# Altium PCB POT 10x8.PcbDoc (part 3 of 4) (continued)
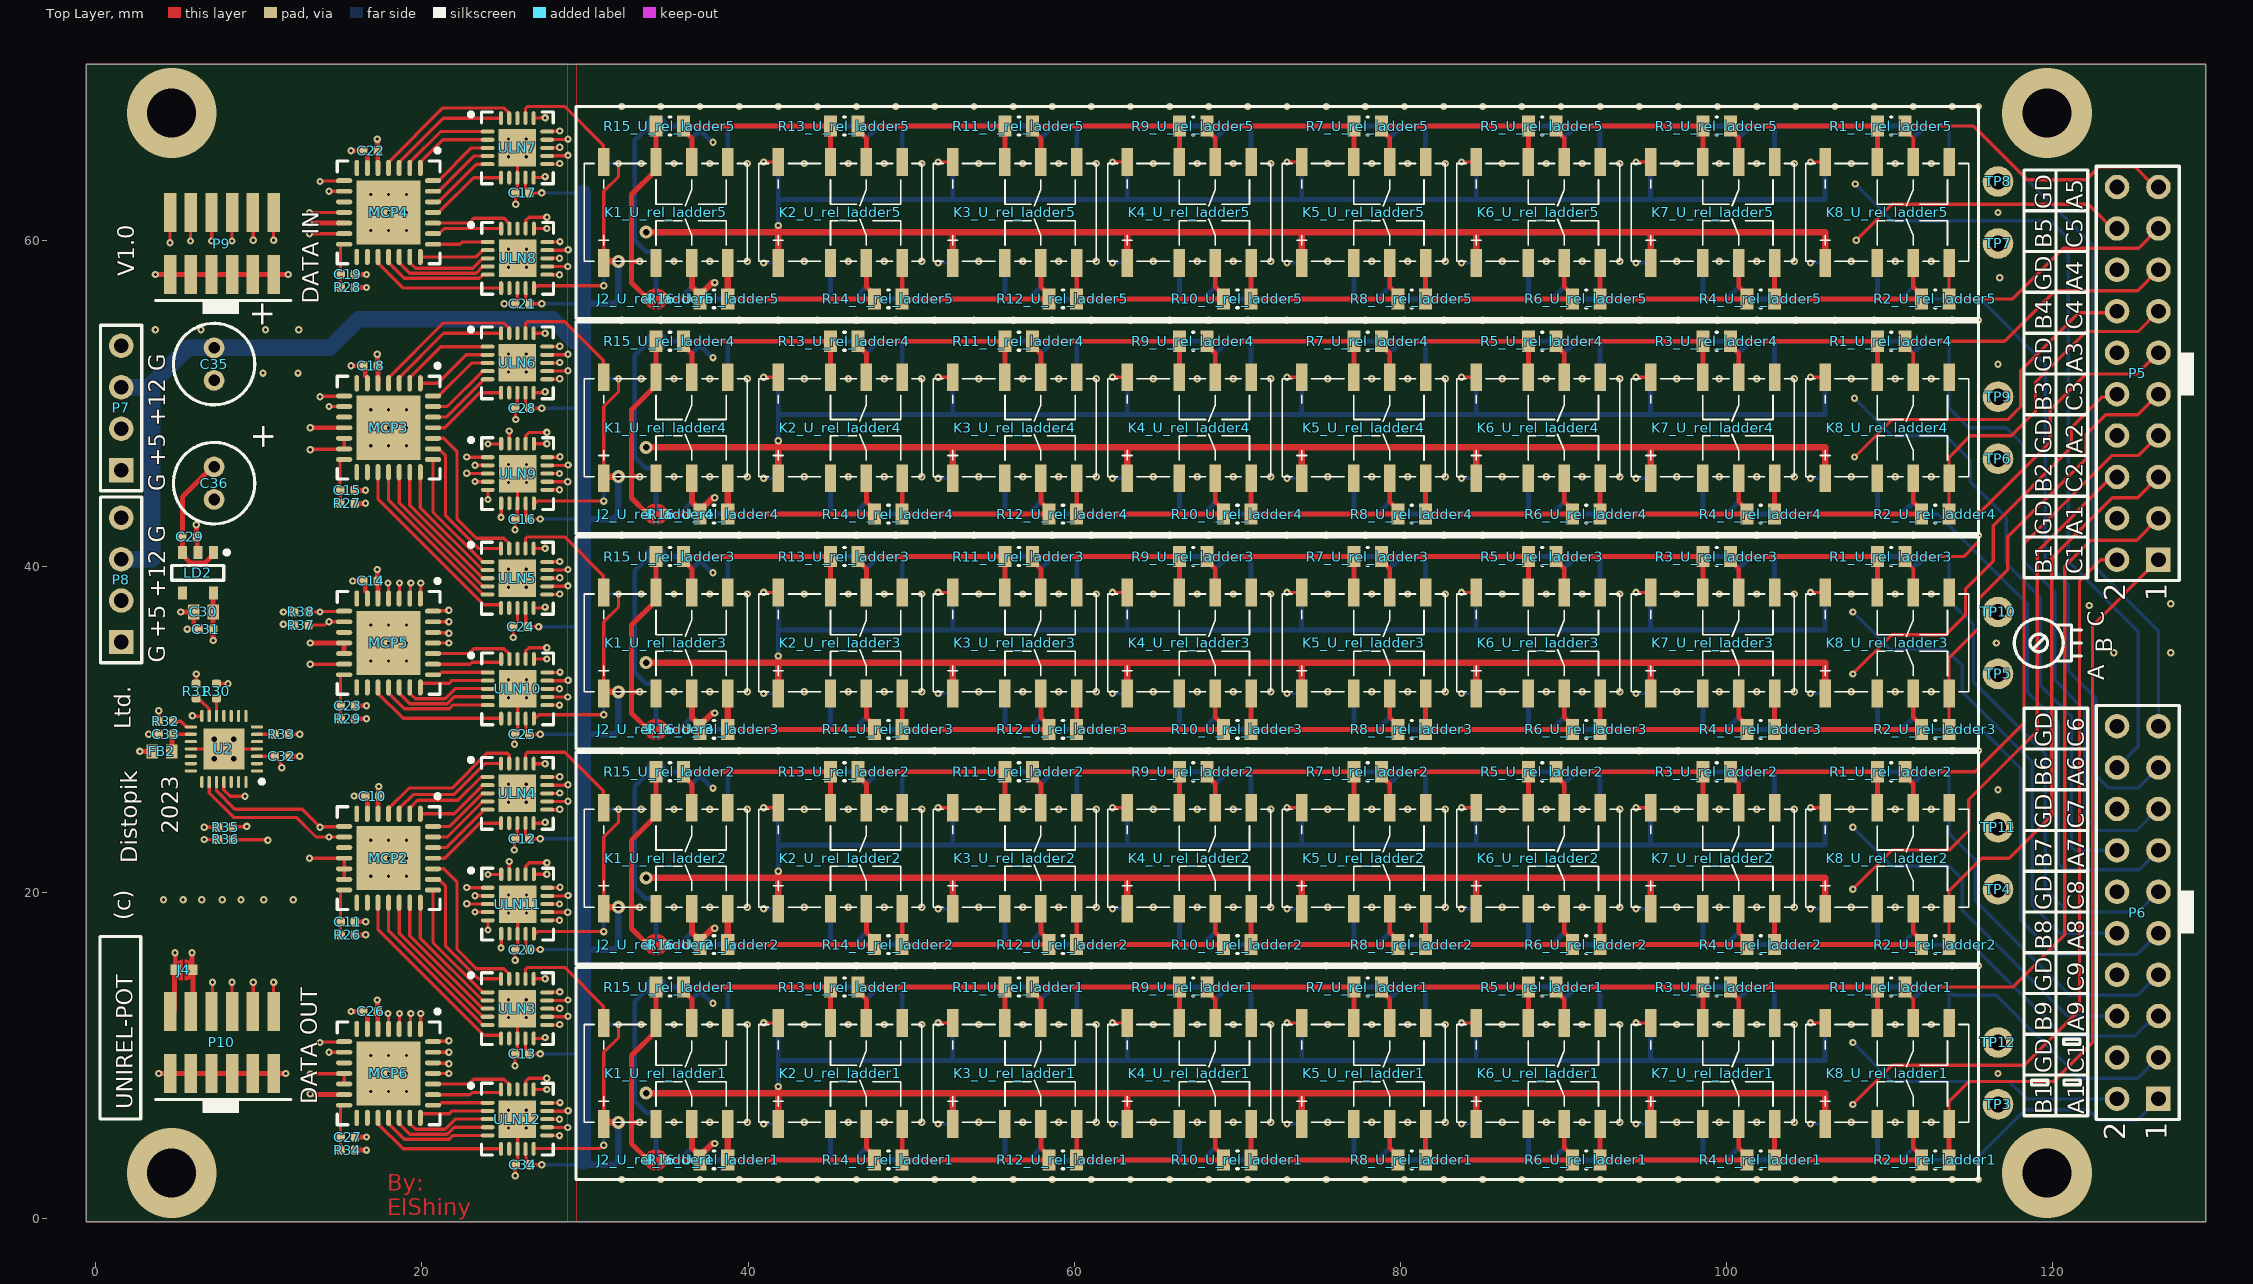
[diagram p0: Top Layer view]
## Nets (pads, with @x,y where several pads share a name; then routed paths per layer and width w, separated by ;. In a path a pad name is that pad's centre, name@x,y a point inside that pad or via, vN(x,y) a via of type N, cw(c..) or ccw(c..) an arc to the next point about the centre after c; other vN are vias at no path point) (continued)
NetK3_U_rel_ladder5_6: K3_U_rel_ladder5.6 K4_U_rel_ladder5.7 R9_U_rel_ladder5.2 R11_U_rel_ladder5.1 | length 13.6
  Top Layer w0.3: K3_U_rel_ladder5.6@57.95,64.8 57.95,66.25 57.45,66.75 R11_U_rel_ladder5.1@57.45,67 R9_U_rel_ladder5.2@66.45,67 K4_U_rel_ladder5.7@66.45,64.8
NetK3_U_rel_ladder5_8: K3_U_rel_ladder5.8 ULN7.15 | length 27
  Top Layer w0.2: ULN7.15@27.675,66.675 28.425,66.675 v1(28.45,66.7) ; v1(51.65,64.8) K3_U_rel_ladder5.8@52.55,64.8
  Mid Layer 1 w0.2: v1(28.45,66.7) 29.103,66.7 30.781,65.022 30.781,64.542 31.825,63.498 40.075,63.498 40.077,63.5 50.35,63.5 v1(51.65,64.8)
NetK3_U_rel_ladder6_4: K3_U_rel_ladder6.4 K4_U_rel_ladder6.3 R10_U_rel_ladder6.2 R12_U_rel_ladder6.1 | length 13.6
  Bottom Layer w0.3: K3_U_rel_ladder6.4@60.15,64.8 R12_U_rel_ladder6.1@60.15,67 R10_U_rel_ladder6.2@69.15,67 69.15,66.75 68.65,66.25 K4_U_rel_ladder6.3@68.65,64.8
NetK3_U_rel_ladder6_6: K3_U_rel_ladder6.6 K4_U_rel_ladder6.7 R9_U_rel_ladder6.2 R11_U_rel_ladder6.1 | length 13.6
  Bottom Layer w0.3: K3_U_rel_ladder6.6@57.95,58.6 57.95,57.15 57.45,56.65 R11_U_rel_ladder6.1@57.45,56.4 R9_U_rel_ladder6.2@66.45,56.4 K4_U_rel_ladder6.7@66.45,58.6
NetK3_U_rel_ladder6_8: K3_U_rel_ladder6.8 ULN8.12 | length 30.5
  Top Layer w0.2: ULN8.12@27.684,58.388 v1(28.934,58.388)
  Mid Layer 2 w0.2: v1(28.934,58.388) 29,58.388 30.048,59.437 30.048,61.225 31.125,62.302 50.348,62.302 51.65,61 v1(51.65,58.6)
  Bottom Layer w0.2: v1(51.65,58.6) K3_U_rel_ladder6.8@52.55,58.6
NetK3_U_rel_ladder7_4: K3_U_rel_ladder7.4 K4_U_rel_ladder7.3 R10_U_rel_ladder7.2 R12_U_rel_ladder7.1 | length 13.6
  Bottom Layer w0.3: K3_U_rel_ladder7.4@60.15,51.6 R12_U_rel_ladder7.1@60.15,53.8 R10_U_rel_ladder7.2@69.15,53.8 69.15,53.55 68.65,53.05 K4_U_rel_ladder7.3@68.65,51.6
NetK3_U_rel_ladder7_6: K3_U_rel_ladder7.6 K4_U_rel_ladder7.7 R9_U_rel_ladder7.2 R11_U_rel_ladder7.1 | length 13.6
  Bottom Layer w0.3: K3_U_rel_ladder7.6@57.95,45.4 57.95,43.95 57.45,43.45 R11_U_rel_ladder7.1@57.45,43.2 R9_U_rel_ladder7.2@66.45,43.2 K4_U_rel_ladder7.7@66.45,45.4
NetK3_U_rel_ladder7_8: K3_U_rel_ladder7.8 ULN9.12 | length 30.5
  Top Layer w0.2: ULN9.12@27.684,45.188 v1(28.934,45.188)
  Mid Layer 2 w0.2: v1(28.934,45.188) 29,45.188 30.048,46.237 30.048,48.025 31.125,49.102 50.348,49.102 51.65,47.8 v1(51.65,45.4)
  Bottom Layer w0.2: v1(51.65,45.4) K3_U_rel_ladder7.8@52.55,45.4
NetK3_U_rel_ladder8_4: K3_U_rel_ladder8.4 K4_U_rel_ladder8.3 R10_U_rel_ladder8.2 R12_U_rel_ladder8.1 | length 13.6
  Bottom Layer w0.3: K3_U_rel_ladder8.4@60.15,38.4 R12_U_rel_ladder8.1@60.15,40.6 R10_U_rel_ladder8.2@69.15,40.6 69.15,40.35 68.65,39.85 K4_U_rel_ladder8.3@68.65,38.4
NetK3_U_rel_ladder8_6: K3_U_rel_ladder8.6 K4_U_rel_ladder8.7 R9_U_rel_ladder8.2 R11_U_rel_ladder8.1 | length 13.6
  Bottom Layer w0.3: K3_U_rel_ladder8.6@57.95,32.2 57.95,30.75 57.45,30.25 R11_U_rel_ladder8.1@57.45,30 R9_U_rel_ladder8.2@66.45,30 K4_U_rel_ladder8.7@66.45,32.2
NetK3_U_rel_ladder8_8: K3_U_rel_ladder8.8 ULN10.12 | length 30.5
  Top Layer w0.2: ULN10.12@27.684,31.988 v1(28.934,31.988)
  Mid Layer 2 w0.2: v1(28.934,31.988) 29,31.988 30.048,33.037 30.048,34.825 31.125,35.902 50.348,35.902 51.65,34.6 v1(51.65,32.2)
  Bottom Layer w0.2: v1(51.65,32.2) K3_U_rel_ladder8.8@52.55,32.2
NetK3_U_rel_ladder9_4: K3_U_rel_ladder9.4 K4_U_rel_ladder9.3 R10_U_rel_ladder9.2 R12_U_rel_ladder9.1 | length 13.6
  Bottom Layer w0.3: K3_U_rel_ladder9.4@60.15,25.2 R12_U_rel_ladder9.1@60.15,27.4 R10_U_rel_ladder9.2@69.15,27.4 69.15,27.15 68.65,26.65 K4_U_rel_ladder9.3@68.65,25.2
NetK3_U_rel_ladder9_6: K3_U_rel_ladder9.6 K4_U_rel_ladder9.7 R9_U_rel_ladder9.2 R11_U_rel_ladder9.1 | length 13.6
  Bottom Layer w0.3: K3_U_rel_ladder9.6@57.95,19 57.95,17.55 57.45,17.05 R11_U_rel_ladder9.1@57.45,16.8 R9_U_rel_ladder9.2@66.45,16.8 K4_U_rel_ladder9.7@66.45,19
NetK3_U_rel_ladder9_8: K3_U_rel_ladder9.8 ULN11.12 | length 30.5
  Top Layer w0.2: ULN11.12@27.684,18.788 v1(28.934,18.788)
  Mid Layer 2 w0.2: v1(28.934,18.788) 29,18.788 30.048,19.837 30.048,21.625 31.125,22.702 50.348,22.702 51.65,21.4 v1(51.65,19)
  Bottom Layer w0.2: v1(51.65,19) K3_U_rel_ladder9.8@52.55,19
NetK3_U_rel_ladder10_4: K3_U_rel_ladder10.4 K4_U_rel_ladder10.3 R10_U_rel_ladder10.2 R12_U_rel_ladder10.1 | length 13.6
  Bottom Layer w0.3: K3_U_rel_ladder10.4@60.15,12 R12_U_rel_ladder10.1@60.15,14.2 R10_U_rel_ladder10.2@69.15,14.2 69.15,13.95 68.65,13.45 K4_U_rel_ladder10.3@68.65,12
NetK3_U_rel_ladder10_6: K3_U_rel_ladder10.6 K4_U_rel_ladder10.7 R9_U_rel_ladder10.2 R11_U_rel_ladder10.1 | length 13.6
  Bottom Layer w0.3: K3_U_rel_ladder10.6@57.95,5.8 57.95,4.35 57.45,3.85 R11_U_rel_ladder10.1@57.45,3.6 R9_U_rel_ladder10.2@66.45,3.6 K4_U_rel_ladder10.7@66.45,5.8
NetK3_U_rel_ladder10_8: K3_U_rel_ladder10.8 ULN12.12 | length 30.5
  Top Layer w0.2: ULN12.12@27.684,5.588 v1(28.934,5.588)
  Mid Layer 2 w0.2: v1(28.934,5.588) 29,5.588 30.048,6.637 30.048,8.425 31.125,9.502 50.348,9.502 51.65,8.2 v1(51.65,5.8)
  Bottom Layer w0.2: v1(51.65,5.8) K3_U_rel_ladder10.8@52.55,5.8
NetK4_U_rel_ladder1_4: K4_U_rel_ladder1.4 K5_U_rel_ladder1.3 R8_U_rel_ladder1.2 R10_U_rel_ladder1.1 | length 13.6
  Top Layer w0.3: K4_U_rel_ladder1.4@70.85,5.8 R10_U_rel_ladder1.1@70.85,3.6 R8_U_rel_ladder1.2@79.85,3.6 79.85,3.85 79.35,4.35 K5_U_rel_ladder1.3@79.35,5.8
NetK4_U_rel_ladder1_6: K4_U_rel_ladder1.6 K5_U_rel_ladder1.7 R7_U_rel_ladder1.2 R9_U_rel_ladder1.1 | length 13.6
  Top Layer w0.3: K4_U_rel_ladder1.6@68.65,12 68.65,13.45 68.15,13.95 R9_U_rel_ladder1.1@68.15,14.2 R7_U_rel_ladder1.2@77.15,14.2 K5_U_rel_ladder1.7@77.15,12
NetK4_U_rel_ladder1_8: K4_U_rel_ladder1.8 ULN3.14 | length 37.8
  Top Layer w0.2: ULN3.14@27.675,13.375 28.925,13.375 v1(28.95,13.4) ; v1(62.35,12) K4_U_rel_ladder1.8@63.25,12
  Mid Layer 1 w0.2: v1(28.95,13.4) 28.998,13.352 29.224,13.352 30.479,12.097 30.479,11.617 31.7,10.397 50.473,10.397 50.477,10.4 60.75,10.4 v1(62.35,12)
NetK4_U_rel_ladder2_4: K4_U_rel_ladder2.4 K5_U_rel_ladder2.3 R8_U_rel_ladder2.2 R10_U_rel_ladder2.1 | length 13.6
  Top Layer w0.3: K4_U_rel_ladder2.4@70.85,19 R10_U_rel_ladder2.1@70.85,16.8 R8_U_rel_ladder2.2@79.85,16.8 79.85,17.05 79.35,17.55 K5_U_rel_ladder2.3@79.35,19
NetK4_U_rel_ladder2_6: K4_U_rel_ladder2.6 K5_U_rel_ladder2.7 R7_U_rel_ladder2.2 R9_U_rel_ladder2.1 | length 13.6
  Top Layer w0.3: K4_U_rel_ladder2.6@68.65,25.2 68.65,26.65 68.15,27.15 R9_U_rel_ladder2.1@68.15,27.4 R7_U_rel_ladder2.2@77.15,27.4 K5_U_rel_ladder2.7@77.15,25.2
NetK4_U_rel_ladder2_8: K4_U_rel_ladder2.8 ULN4.14 | length 37.8
  Top Layer w0.2: ULN4.14@27.675,26.575 28.925,26.575 v1(28.95,26.6) ; v1(62.35,25.2) K4_U_rel_ladder2.8@63.25,25.2
  Mid Layer 1 w0.2: v1(28.95,26.6) 28.998,26.552 29.224,26.552 30.479,25.297 30.479,24.817 31.7,23.597 50.473,23.597 50.477,23.6 60.75,23.6 v1(62.35,25.2)
NetK4_U_rel_ladder3_4: K4_U_rel_ladder3.4 K5_U_rel_ladder3.3 R8_U_rel_ladder3.2 R10_U_rel_ladder3.1 | length 13.6
  Top Layer w0.3: K4_U_rel_ladder3.4@70.85,32.2 R10_U_rel_ladder3.1@70.85,30 R8_U_rel_ladder3.2@79.85,30 79.85,30.25 79.35,30.75 K5_U_rel_ladder3.3@79.35,32.2
NetK4_U_rel_ladder3_6: K4_U_rel_ladder3.6 K5_U_rel_ladder3.7 R7_U_rel_ladder3.2 R9_U_rel_ladder3.1 | length 13.6
  Top Layer w0.3: K4_U_rel_ladder3.6@68.65,38.4 68.65,39.85 68.15,40.35 R9_U_rel_ladder3.1@68.15,40.6 R7_U_rel_ladder3.2@77.15,40.6 K5_U_rel_ladder3.7@77.15,38.4
NetK4_U_rel_ladder3_8: K4_U_rel_ladder3.8 ULN5.14 | length 37.8
  Top Layer w0.2: ULN5.14@27.675,39.775 28.925,39.775 v1(28.95,39.8) ; v1(62.35,38.4) K4_U_rel_ladder3.8@63.25,38.4
  Mid Layer 1 w0.2: v1(28.95,39.8) 28.998,39.752 29.224,39.752 30.479,38.497 30.479,38.017 31.7,36.797 50.473,36.797 50.477,36.8 60.75,36.8 v1(62.35,38.4)
NetK4_U_rel_ladder4_4: K4_U_rel_ladder4.4 K5_U_rel_ladder4.3 R8_U_rel_ladder4.2 R10_U_rel_ladder4.1 | length 13.6
  Top Layer w0.3: K4_U_rel_ladder4.4@70.85,45.4 R10_U_rel_ladder4.1@70.85,43.2 R8_U_rel_ladder4.2@79.85,43.2 79.85,43.45 79.35,43.95 K5_U_rel_ladder4.3@79.35,45.4
NetK4_U_rel_ladder4_6: K4_U_rel_ladder4.6 K5_U_rel_ladder4.7 R7_U_rel_ladder4.2 R9_U_rel_ladder4.1 | length 13.6
  Top Layer w0.3: K4_U_rel_ladder4.6@68.65,51.6 68.65,53.05 68.15,53.55 R9_U_rel_ladder4.1@68.15,53.8 R7_U_rel_ladder4.2@77.15,53.8 K5_U_rel_ladder4.7@77.15,51.6
NetK4_U_rel_ladder4_8: K4_U_rel_ladder4.8 ULN6.14 | length 37.8
  Top Layer w0.2: ULN6.14@27.675,52.975 28.925,52.975 v1(28.95,53) ; v1(62.35,51.6) K4_U_rel_ladder4.8@63.25,51.6
  Mid Layer 1 w0.2: v1(28.95,53) 28.998,52.952 29.224,52.952 30.479,51.697 30.479,51.217 31.7,49.997 50.473,49.997 50.477,50 60.75,50 v1(62.35,51.6)
NetK4_U_rel_ladder5_4: K4_U_rel_ladder5.4 K5_U_rel_ladder5.3 R8_U_rel_ladder5.2 R10_U_rel_ladder5.1 | length 13.6
  Top Layer w0.3: K4_U_rel_ladder5.4@70.85,58.6 R10_U_rel_ladder5.1@70.85,56.4 R8_U_rel_ladder5.2@79.85,56.4 79.85,56.65 79.35,57.15 K5_U_rel_ladder5.3@79.35,58.6
NetK4_U_rel_ladder5_6: K4_U_rel_ladder5.6 K5_U_rel_ladder5.7 R7_U_rel_ladder5.2 R9_U_rel_ladder5.1 | length 13.6
  Top Layer w0.3: K4_U_rel_ladder5.6@68.65,64.8 68.65,66.25 68.15,66.75 R9_U_rel_ladder5.1@68.15,67 R7_U_rel_ladder5.2@77.15,67 K5_U_rel_ladder5.7@77.15,64.8
NetK4_U_rel_ladder5_8: K4_U_rel_ladder5.8 ULN7.14 | length 37.8
  Top Layer w0.2: ULN7.14@27.675,66.175 28.925,66.175 v1(28.95,66.2) ; v1(62.35,64.8) K4_U_rel_ladder5.8@63.25,64.8
  Mid Layer 1 w0.2: v1(28.95,66.2) 28.998,66.152 29.224,66.152 30.479,64.897 30.479,64.417 31.7,63.197 50.473,63.197 50.477,63.2 60.75,63.2 v1(62.35,64.8)
NetK4_U_rel_ladder6_4: K4_U_rel_ladder6.4 K5_U_rel_ladder6.3 R8_U_rel_ladder6.2 R10_U_rel_ladder6.1 | length 13.7
  Bottom Layer w0.3: K4_U_rel_ladder6.4@70.85,64.8 R10_U_rel_ladder6.1@70.85,67 R8_U_rel_ladder6.2@79.85,67 79.85,66.75 79.6,66.5 79.526,66.5 79.35,66.324 K5_U_rel_ladder6.3@79.35,64.8
NetK4_U_rel_ladder6_6: K4_U_rel_ladder6.6 K5_U_rel_ladder6.7 R7_U_rel_ladder6.2 R9_U_rel_ladder6.1 | length 13.6
  Bottom Layer w0.3: K4_U_rel_ladder6.6@68.65,58.6 68.65,57.15 68.15,56.65 R9_U_rel_ladder6.1@68.15,56.4 R7_U_rel_ladder6.2@77.15,56.4 K5_U_rel_ladder6.7@77.15,58.6
NetK4_U_rel_ladder6_8: K4_U_rel_ladder6.8 ULN8.13 | length 41.2
  Top Layer w0.2: ULN8.13@27.684,58.888 v1(28.434,58.888)
  Mid Layer 2 w0.2: v1(28.434,58.888) 29.073,58.888 29.747,59.562 29.747,61.35 31,62.603 60.747,62.603 62.35,61 v1(62.35,58.6)
  Bottom Layer w0.2: v1(62.35,58.6) K4_U_rel_ladder6.8@63.25,58.6
NetK4_U_rel_ladder7_4: K4_U_rel_ladder7.4 K5_U_rel_ladder7.3 R8_U_rel_ladder7.2 R10_U_rel_ladder7.1 | length 13.7
  Bottom Layer w0.3: K4_U_rel_ladder7.4@70.85,51.6 R10_U_rel_ladder7.1@70.85,53.8 R8_U_rel_ladder7.2@79.85,53.8 79.85,53.55 79.6,53.3 79.526,53.3 79.35,53.124 K5_U_rel_ladder7.3@79.35,51.6
NetK4_U_rel_ladder7_6: K4_U_rel_ladder7.6 K5_U_rel_ladder7.7 R7_U_rel_ladder7.2 R9_U_rel_ladder7.1 | length 13.6
  Bottom Layer w0.3: K4_U_rel_ladder7.6@68.65,45.4 68.65,43.95 68.15,43.45 R9_U_rel_ladder7.1@68.15,43.2 R7_U_rel_ladder7.2@77.15,43.2 K5_U_rel_ladder7.7@77.15,45.4
NetK4_U_rel_ladder7_8: K4_U_rel_ladder7.8 ULN9.13 | length 41.2
  Top Layer w0.2: ULN9.13@27.684,45.688 v1(28.434,45.688)
  Mid Layer 2 w0.2: v1(28.434,45.688) 29.073,45.688 29.747,46.362 29.747,48.15 31,49.403 60.747,49.403 62.35,47.8 v1(62.35,45.4)
  Bottom Layer w0.2: v1(62.35,45.4) K4_U_rel_ladder7.8@63.25,45.4
NetK4_U_rel_ladder8_4: K4_U_rel_ladder8.4 K5_U_rel_ladder8.3 R8_U_rel_ladder8.2 R10_U_rel_ladder8.1 | length 13.7
  Bottom Layer w0.3: K4_U_rel_ladder8.4@70.85,38.4 R10_U_rel_ladder8.1@70.85,40.6 R8_U_rel_ladder8.2@79.85,40.6 79.85,40.35 79.6,40.1 79.526,40.1 79.35,39.924 K5_U_rel_ladder8.3@79.35,38.4
NetK4_U_rel_ladder8_6: K4_U_rel_ladder8.6 K5_U_rel_ladder8.7 R7_U_rel_ladder8.2 R9_U_rel_ladder8.1 | length 13.6
  Bottom Layer w0.3: K4_U_rel_ladder8.6@68.65,32.2 68.65,30.75 68.15,30.25 R9_U_rel_ladder8.1@68.15,30 R7_U_rel_ladder8.2@77.15,30 K5_U_rel_ladder8.7@77.15,32.2
NetK4_U_rel_ladder8_8: K4_U_rel_ladder8.8 ULN10.13 | length 41.2
  Top Layer w0.2: ULN10.13@27.684,32.488 v1(28.434,32.488)
  Mid Layer 2 w0.2: v1(28.434,32.488) 29.073,32.488 29.747,33.162 29.747,34.95 31,36.203 60.747,36.203 62.35,34.6 v1(62.35,32.2)
  Bottom Layer w0.2: v1(62.35,32.2) K4_U_rel_ladder8.8@63.25,32.2
NetK4_U_rel_ladder9_4: K4_U_rel_ladder9.4 K5_U_rel_ladder9.3 R8_U_rel_ladder9.2 R10_U_rel_ladder9.1 | length 13.7
  Bottom Layer w0.3: K4_U_rel_ladder9.4@70.85,25.2 R10_U_rel_ladder9.1@70.85,27.4 R8_U_rel_ladder9.2@79.85,27.4 79.85,27.15 79.6,26.9 79.526,26.9 79.35,26.724 K5_U_rel_ladder9.3@79.35,25.2
NetK4_U_rel_ladder9_6: K4_U_rel_ladder9.6 K5_U_rel_ladder9.7 R7_U_rel_ladder9.2 R9_U_rel_ladder9.1 | length 13.6
  Bottom Layer w0.3: K4_U_rel_ladder9.6@68.65,19 68.65,17.55 68.15,17.05 R9_U_rel_ladder9.1@68.15,16.8 R7_U_rel_ladder9.2@77.15,16.8 K5_U_rel_ladder9.7@77.15,19
NetK4_U_rel_ladder9_8: K4_U_rel_ladder9.8 ULN11.13 | length 41.2
  Top Layer w0.2: ULN11.13@27.684,19.288 v1(28.434,19.288)
  Mid Layer 2 w0.2: v1(28.434,19.288) 29.073,19.288 29.747,19.962 29.747,21.75 31,23.003 60.747,23.003 62.35,21.4 v1(62.35,19)
  Bottom Layer w0.2: v1(62.35,19) K4_U_rel_ladder9.8@63.25,19
NetK4_U_rel_ladder10_4: K4_U_rel_ladder10.4 K5_U_rel_ladder10.3 R8_U_rel_ladder10.2 R10_U_rel_ladder10.1 | length 13.7
  Bottom Layer w0.3: K4_U_rel_ladder10.4@70.85,12 R10_U_rel_ladder10.1@70.85,14.2 R8_U_rel_ladder10.2@79.85,14.2 79.85,13.95 79.6,13.7 79.526,13.7 79.35,13.524 K5_U_rel_ladder10.3@79.35,12
NetK4_U_rel_ladder10_6: K4_U_rel_ladder10.6 K5_U_rel_ladder10.7 R7_U_rel_ladder10.2 R9_U_rel_ladder10.1 | length 13.6
  Bottom Layer w0.3: K4_U_rel_ladder10.6@68.65,5.8 68.65,4.35 68.15,3.85 R9_U_rel_ladder10.1@68.15,3.6 R7_U_rel_ladder10.2@77.15,3.6 K5_U_rel_ladder10.7@77.15,5.8
NetK4_U_rel_ladder10_8: K4_U_rel_ladder10.8 ULN12.13 | length 41.2
  Top Layer w0.2: ULN12.13@27.684,6.088 v1(28.434,6.088)
  Mid Layer 2 w0.2: v1(28.434,6.088) 29.073,6.088 29.747,6.762 29.747,8.55 31,9.803 60.747,9.803 62.35,8.2 v1(62.35,5.8)
  Bottom Layer w0.2: v1(62.35,5.8) K4_U_rel_ladder10.8@63.25,5.8
NetK5_U_rel_ladder1_4: K5_U_rel_ladder1.4 K6_U_rel_ladder1.3 R6_U_rel_ladder1.2 R8_U_rel_ladder1.1 | length 13.6
  Top Layer w0.3: K5_U_rel_ladder1.4@81.55,5.8 R8_U_rel_ladder1.1@81.55,3.6 R6_U_rel_ladder1.2@90.55,3.6 90.55,3.85 90.05,4.35 K6_U_rel_ladder1.3@90.05,5.8
NetK5_U_rel_ladder1_6: K5_U_rel_ladder1.6 K6_U_rel_ladder1.7 R5_U_rel_ladder1.2 R7_U_rel_ladder1.1 | length 13.6
  Top Layer w0.3: K5_U_rel_ladder1.6@79.35,12 79.35,13.45 78.85,13.95 R7_U_rel_ladder1.1@78.85,14.2 R5_U_rel_ladder1.2@87.85,14.2 K6_U_rel_ladder1.7@87.85,12
NetK5_U_rel_ladder1_8: K5_U_rel_ladder1.8 ULN3.13 | length 48.5
  Top Layer w0.2: ULN3.13@27.675,12.875 28.425,12.875 v1(28.45,12.9) ; v1(73.05,12) K5_U_rel_ladder1.8@73.95,12
  Mid Layer 1 w0.2: v1(28.45,12.9) 29.25,12.9 30.178,11.972 30.178,11.493 31.575,10.095 71.145,10.095 v1(73.05,12)
NetK5_U_rel_ladder2_4: K5_U_rel_ladder2.4 K6_U_rel_ladder2.3 R6_U_rel_ladder2.2 R8_U_rel_ladder2.1 | length 13.6
  Top Layer w0.3: K5_U_rel_ladder2.4@81.55,19 R8_U_rel_ladder2.1@81.55,16.8 R6_U_rel_ladder2.2@90.55,16.8 90.55,17.05 90.05,17.55 K6_U_rel_ladder2.3@90.05,19
NetK5_U_rel_ladder2_6: K5_U_rel_ladder2.6 K6_U_rel_ladder2.7 R5_U_rel_ladder2.2 R7_U_rel_ladder2.1 | length 13.6
  Top Layer w0.3: K5_U_rel_ladder2.6@79.35,25.2 79.35,26.65 78.85,27.15 R7_U_rel_ladder2.1@78.85,27.4 R5_U_rel_ladder2.2@87.85,27.4 K6_U_rel_ladder2.7@87.85,25.2
NetK5_U_rel_ladder2_8: K5_U_rel_ladder2.8 ULN4.13 | length 48.5
  Top Layer w0.2: ULN4.13@27.675,26.075 28.425,26.075 v1(28.45,26.1) ; v1(73.05,25.2) K5_U_rel_ladder2.8@73.95,25.2
  Mid Layer 1 w0.2: v1(28.45,26.1) 29.25,26.1 30.178,25.172 30.178,24.693 31.575,23.295 71.145,23.295 v1(73.05,25.2)
NetK5_U_rel_ladder3_4: K5_U_rel_ladder3.4 K6_U_rel_ladder3.3 R6_U_rel_ladder3.2 R8_U_rel_ladder3.1 | length 13.6
  Top Layer w0.3: K5_U_rel_ladder3.4@81.55,32.2 R8_U_rel_ladder3.1@81.55,30 R6_U_rel_ladder3.2@90.55,30 90.55,30.25 90.05,30.75 K6_U_rel_ladder3.3@90.05,32.2
NetK5_U_rel_ladder3_6: K5_U_rel_ladder3.6 K6_U_rel_ladder3.7 R5_U_rel_ladder3.2 R7_U_rel_ladder3.1 | length 13.6
  Top Layer w0.3: K5_U_rel_ladder3.6@79.35,38.4 79.35,39.85 78.85,40.35 R7_U_rel_ladder3.1@78.85,40.6 R5_U_rel_ladder3.2@87.85,40.6 K6_U_rel_ladder3.7@87.85,38.4
NetK5_U_rel_ladder3_8: K5_U_rel_ladder3.8 ULN5.13 | length 48.5
  Top Layer w0.2: ULN5.13@27.675,39.275 28.425,39.275 v1(28.45,39.3) ; v1(73.05,38.4) K5_U_rel_ladder3.8@73.95,38.4
  Mid Layer 1 w0.2: v1(28.45,39.3) 29.25,39.3 30.178,38.372 30.178,37.893 31.575,36.495 71.145,36.495 v1(73.05,38.4)
NetK5_U_rel_ladder4_4: K5_U_rel_ladder4.4 K6_U_rel_ladder4.3 R6_U_rel_ladder4.2 R8_U_rel_ladder4.1 | length 13.6
  Top Layer w0.3: K5_U_rel_ladder4.4@81.55,45.4 R8_U_rel_ladder4.1@81.55,43.2 R6_U_rel_ladder4.2@90.55,43.2 90.55,43.45 90.05,43.95 K6_U_rel_ladder4.3@90.05,45.4
NetK5_U_rel_ladder4_6: K5_U_rel_ladder4.6 K6_U_rel_ladder4.7 R5_U_rel_ladder4.2 R7_U_rel_ladder4.1 | length 13.6
  Top Layer w0.3: K5_U_rel_ladder4.6@79.35,51.6 79.35,53.05 78.85,53.55 R7_U_rel_ladder4.1@78.85,53.8 R5_U_rel_ladder4.2@87.85,53.8 K6_U_rel_ladder4.7@87.85,51.6
NetK5_U_rel_ladder4_8: K5_U_rel_ladder4.8 ULN6.13 | length 48.5
  Top Layer w0.2: ULN6.13@27.675,52.475 28.425,52.475 v1(28.45,52.5) ; v1(73.05,51.6) K5_U_rel_ladder4.8@73.95,51.6
  Mid Layer 1 w0.2: v1(28.45,52.5) 29.25,52.5 30.178,51.572 30.178,51.093 31.575,49.695 71.145,49.695 v1(73.05,51.6)
NetK5_U_rel_ladder5_4: K5_U_rel_ladder5.4 K6_U_rel_ladder5.3 R6_U_rel_ladder5.2 R8_U_rel_ladder5.1 | length 13.6
  Top Layer w0.3: K5_U_rel_ladder5.4@81.55,58.6 R8_U_rel_ladder5.1@81.55,56.4 R6_U_rel_ladder5.2@90.55,56.4 90.55,56.65 90.05,57.15 K6_U_rel_ladder5.3@90.05,58.6
NetK5_U_rel_ladder5_6: K5_U_rel_ladder5.6 K6_U_rel_ladder5.7 R5_U_rel_ladder5.2 R7_U_rel_ladder5.1 | length 13.6
  Top Layer w0.3: K5_U_rel_ladder5.6@79.35,64.8 79.35,66.25 78.85,66.75 R7_U_rel_ladder5.1@78.85,67 R5_U_rel_ladder5.2@87.85,67 K6_U_rel_ladder5.7@87.85,64.8
NetK5_U_rel_ladder5_8: K5_U_rel_ladder5.8 ULN7.13 | length 48.5
  Top Layer w0.2: ULN7.13@27.675,65.675 28.425,65.675 v1(28.45,65.7) ; v1(73.05,64.8) K5_U_rel_ladder5.8@73.95,64.8
  Mid Layer 1 w0.2: v1(28.45,65.7) 29.25,65.7 30.178,64.772 30.178,64.293 31.575,62.895 71.145,62.895 v1(73.05,64.8)
NetK5_U_rel_ladder6_4: K5_U_rel_ladder6.4 K6_U_rel_ladder6.3 R6_U_rel_ladder6.2 R8_U_rel_ladder6.1 | length 13.7
  Bottom Layer w0.3: K5_U_rel_ladder6.4@81.55,64.8 R8_U_rel_ladder6.1@81.55,67 R6_U_rel_ladder6.2@90.55,67 90.55,66.75 90.3,66.5 90.226,66.5 90.05,66.324 K6_U_rel_ladder6.3@90.05,64.8
NetK5_U_rel_ladder6_6: K5_U_rel_ladder6.6 K6_U_rel_ladder6.7 R5_U_rel_ladder6.2 R7_U_rel_ladder6.1 | length 13.6
  Bottom Layer w0.3: K5_U_rel_ladder6.6@79.35,58.6 79.35,57.15 78.85,56.65 R7_U_rel_ladder6.1@78.85,56.4 R5_U_rel_ladder6.2@87.85,56.4 K6_U_rel_ladder6.7@87.85,58.6
NetK5_U_rel_ladder6_8: K5_U_rel_ladder6.8 ULN8.14 | length 51.8
  Top Layer w0.2: ULN8.14@27.684,59.388 v1@28.934,59.388
  Mid Layer 2 w0.2: v1(28.959,59.413) 29.445,59.899 29.445,61.475 30.875,62.905 71.145,62.905 73.05,61 v1(73.05,58.6)
  Bottom Layer w0.2: v1(73.05,58.6) K5_U_rel_ladder6.8@73.95,58.6
NetK5_U_rel_ladder7_4: K5_U_rel_ladder7.4 K6_U_rel_ladder7.3 R6_U_rel_ladder7.2 R8_U_rel_ladder7.1 | length 13.7
  Bottom Layer w0.3: K5_U_rel_ladder7.4@81.55,51.6 R8_U_rel_ladder7.1@81.55,53.8 R6_U_rel_ladder7.2@90.55,53.8 90.55,53.55 90.3,53.3 90.226,53.3 90.05,53.124 K6_U_rel_ladder7.3@90.05,51.6
NetK5_U_rel_ladder7_6: K5_U_rel_ladder7.6 K6_U_rel_ladder7.7 R5_U_rel_ladder7.2 R7_U_rel_ladder7.1 | length 13.6
  Bottom Layer w0.3: K5_U_rel_ladder7.6@79.35,45.4 79.35,43.95 78.85,43.45 R7_U_rel_ladder7.1@78.85,43.2 R5_U_rel_ladder7.2@87.85,43.2 K6_U_rel_ladder7.7@87.85,45.4
NetK5_U_rel_ladder7_8: K5_U_rel_ladder7.8 ULN9.14 | length 51.8
  Top Layer w0.2: ULN9.14@27.684,46.188 v1@28.934,46.188
  Mid Layer 2 w0.2: v1(28.959,46.213) 29.445,46.7 29.445,48.275 30.875,49.705 71.145,49.705 73.05,47.8 v1(73.05,45.4)
  Bottom Layer w0.2: v1(73.05,45.4) K5_U_rel_ladder7.8@73.95,45.4
NetK5_U_rel_ladder8_4: K5_U_rel_ladder8.4 K6_U_rel_ladder8.3 R6_U_rel_ladder8.2 R8_U_rel_ladder8.1 | length 13.7
  Bottom Layer w0.3: K5_U_rel_ladder8.4@81.55,38.4 R8_U_rel_ladder8.1@81.55,40.6 R6_U_rel_ladder8.2@90.55,40.6 90.55,40.35 90.3,40.1 90.226,40.1 90.05,39.924 K6_U_rel_ladder8.3@90.05,38.4
NetK5_U_rel_ladder8_6: K5_U_rel_ladder8.6 K6_U_rel_ladder8.7 R5_U_rel_ladder8.2 R7_U_rel_ladder8.1 | length 13.6
  Bottom Layer w0.3: K5_U_rel_ladder8.6@79.35,32.2 79.35,30.75 78.85,30.25 R7_U_rel_ladder8.1@78.85,30 R5_U_rel_ladder8.2@87.85,30 K6_U_rel_ladder8.7@87.85,32.2
NetK5_U_rel_ladder8_8: K5_U_rel_ladder8.8 ULN10.14 | length 51.8
  Top Layer w0.2: ULN10.14@27.684,32.988 v1@28.934,32.988
  Mid Layer 2 w0.2: v1(28.959,33.013) 29.445,33.5 29.445,35.075 30.875,36.505 71.145,36.505 73.05,34.6 v1(73.05,32.2)
  Bottom Layer w0.2: v1(73.05,32.2) K5_U_rel_ladder8.8@73.95,32.2
NetK5_U_rel_ladder9_4: K5_U_rel_ladder9.4 K6_U_rel_ladder9.3 R6_U_rel_ladder9.2 R8_U_rel_ladder9.1 | length 13.7
  Bottom Layer w0.3: K5_U_rel_ladder9.4@81.55,25.2 R8_U_rel_ladder9.1@81.55,27.4 R6_U_rel_ladder9.2@90.55,27.4 90.55,27.15 90.3,26.9 90.226,26.9 90.05,26.724 K6_U_rel_ladder9.3@90.05,25.2
NetK5_U_rel_ladder9_6: K5_U_rel_ladder9.6 K6_U_rel_ladder9.7 R5_U_rel_ladder9.2 R7_U_rel_ladder9.1 | length 13.6
  Bottom Layer w0.3: K5_U_rel_ladder9.6@79.35,19 79.35,17.55 78.85,17.05 R7_U_rel_ladder9.1@78.85,16.8 R5_U_rel_ladder9.2@87.85,16.8 K6_U_rel_ladder9.7@87.85,19
NetK5_U_rel_ladder9_8: K5_U_rel_ladder9.8 ULN11.14 | length 51.8
  Top Layer w0.2: ULN11.14@27.684,19.788 v1@28.934,19.788
  Mid Layer 2 w0.2: v1(28.959,19.813) 29.445,20.299 29.445,21.875 30.875,23.305 71.145,23.305 73.05,21.4 v1(73.05,19)
  Bottom Layer w0.2: v1(73.05,19) K5_U_rel_ladder9.8@73.95,19
NetK5_U_rel_ladder10_4: K5_U_rel_ladder10.4 K6_U_rel_ladder10.3 R6_U_rel_ladder10.2 R8_U_rel_ladder10.1 | length 13.7
  Bottom Layer w0.3: K5_U_rel_ladder10.4@81.55,12 R8_U_rel_ladder10.1@81.55,14.2 R6_U_rel_ladder10.2@90.55,14.2 90.55,13.95 90.3,13.7 90.226,13.7 90.05,13.524 K6_U_rel_ladder10.3@90.05,12
NetK5_U_rel_ladder10_6: K5_U_rel_ladder10.6 K6_U_rel_ladder10.7 R5_U_rel_ladder10.2 R7_U_rel_ladder10.1 | length 13.6
  Bottom Layer w0.3: K5_U_rel_ladder10.6@79.35,5.8 79.35,4.35 78.85,3.85 R7_U_rel_ladder10.1@78.85,3.6 R5_U_rel_ladder10.2@87.85,3.6 K6_U_rel_ladder10.7@87.85,5.8
NetK5_U_rel_ladder10_8: K5_U_rel_ladder10.8 ULN12.14 | length 51.8
  Top Layer w0.2: ULN12.14@27.684,6.588 v1@28.934,6.588
  Mid Layer 2 w0.2: v1(28.959,6.613) 29.445,7.1 29.445,8.675 30.875,10.105 71.145,10.105 73.05,8.2 v1(73.05,5.8)
  Bottom Layer w0.2: v1(73.05,5.8) K5_U_rel_ladder10.8@73.95,5.8
NetK6_U_rel_ladder1_4: K6_U_rel_ladder1.4 K7_U_rel_ladder1.3 R4_U_rel_ladder1.2 R6_U_rel_ladder1.1 | length 13.6
  Top Layer w0.3: K6_U_rel_ladder1.4@92.25,5.8 R6_U_rel_ladder1.1@92.25,3.6 R4_U_rel_ladder1.2@101.25,3.6 101.25,3.85 100.75,4.35 K7_U_rel_ladder1.3@100.75,5.8
NetK6_U_rel_ladder1_6: K6_U_rel_ladder1.6 K7_U_rel_ladder1.7 R3_U_rel_ladder1.2 R5_U_rel_ladder1.1 | length 13.6
  Top Layer w0.3: K6_U_rel_ladder1.6@90.05,12 90.05,13.45 89.55,13.95 R5_U_rel_ladder1.1@89.55,14.2 R3_U_rel_ladder1.2@98.55,14.2 K7_U_rel_ladder1.7@98.55,12
NetK6_U_rel_ladder1_8: K6_U_rel_ladder1.8 ULN3.12 | length 59
  Top Layer w0.2: ULN3.12@27.675,12.375 28.925,12.375 v1(28.95,12.4) ; v1(83.75,12) K6_U_rel_ladder1.8@84.65,12
  Mid Layer 1 w0.2: v1(28.95,12.4) 29.876,11.474 29.876,11.368 31.45,9.794 71.27,9.794 71.277,9.8 81.55,9.8 v1(83.75,12)
NetK6_U_rel_ladder2_4: K6_U_rel_ladder2.4 K7_U_rel_ladder2.3 R4_U_rel_ladder2.2 R6_U_rel_ladder2.1 | length 13.6
  Top Layer w0.3: K6_U_rel_ladder2.4@92.25,19 R6_U_rel_ladder2.1@92.25,16.8 R4_U_rel_ladder2.2@101.25,16.8 101.25,17.05 100.75,17.55 K7_U_rel_ladder2.3@100.75,19
NetK6_U_rel_ladder2_6: K6_U_rel_ladder2.6 K7_U_rel_ladder2.7 R3_U_rel_ladder2.2 R5_U_rel_ladder2.1 | length 13.6
  Top Layer w0.3: K6_U_rel_ladder2.6@90.05,25.2 90.05,26.65 89.55,27.15 R5_U_rel_ladder2.1@89.55,27.4 R3_U_rel_ladder2.2@98.55,27.4 K7_U_rel_ladder2.7@98.55,25.2
NetK6_U_rel_ladder2_8: K6_U_rel_ladder2.8 ULN4.12 | length 59
  Top Layer w0.2: ULN4.12@27.675,25.575 28.925,25.575 v1(28.95,25.6) ; v1(83.75,25.2) K6_U_rel_ladder2.8@84.65,25.2
  Mid Layer 1 w0.2: v1(28.95,25.6) 29.876,24.674 29.876,24.568 31.45,22.994 71.27,22.994 71.277,23 81.55,23 v1(83.75,25.2)
NetK6_U_rel_ladder3_4: K6_U_rel_ladder3.4 K7_U_rel_ladder3.3 R4_U_rel_ladder3.2 R6_U_rel_ladder3.1 | length 13.6
  Top Layer w0.3: K6_U_rel_ladder3.4@92.25,32.2 R6_U_rel_ladder3.1@92.25,30 R4_U_rel_ladder3.2@101.25,30 101.25,30.25 100.75,30.75 K7_U_rel_ladder3.3@100.75,32.2
NetK6_U_rel_ladder3_6: K6_U_rel_ladder3.6 K7_U_rel_ladder3.7 R3_U_rel_ladder3.2 R5_U_rel_ladder3.1 | length 13.6
  Top Layer w0.3: K6_U_rel_ladder3.6@90.05,38.4 90.05,39.85 89.55,40.35 R5_U_rel_ladder3.1@89.55,40.6 R3_U_rel_ladder3.2@98.55,40.6 K7_U_rel_ladder3.7@98.55,38.4
NetK6_U_rel_ladder3_8: K6_U_rel_ladder3.8 ULN5.12 | length 59
  Top Layer w0.2: ULN5.12@27.675,38.775 28.925,38.775 v1(28.95,38.8) ; v1(83.75,38.4) K6_U_rel_ladder3.8@84.65,38.4
  Mid Layer 1 w0.2: v1(28.95,38.8) 29.876,37.874 29.876,37.768 31.45,36.194 71.27,36.194 71.277,36.2 81.55,36.2 v1(83.75,38.4)
NetK6_U_rel_ladder4_4: K6_U_rel_ladder4.4 K7_U_rel_ladder4.3 R4_U_rel_ladder4.2 R6_U_rel_ladder4.1 | length 13.6
  Top Layer w0.3: K6_U_rel_ladder4.4@92.25,45.4 R6_U_rel_ladder4.1@92.25,43.2 R4_U_rel_ladder4.2@101.25,43.2 101.25,43.45 100.75,43.95 K7_U_rel_ladder4.3@100.75,45.4